# Altium PCB Thunderscope-E.PCBDOC (part 3 of 4) (continued)
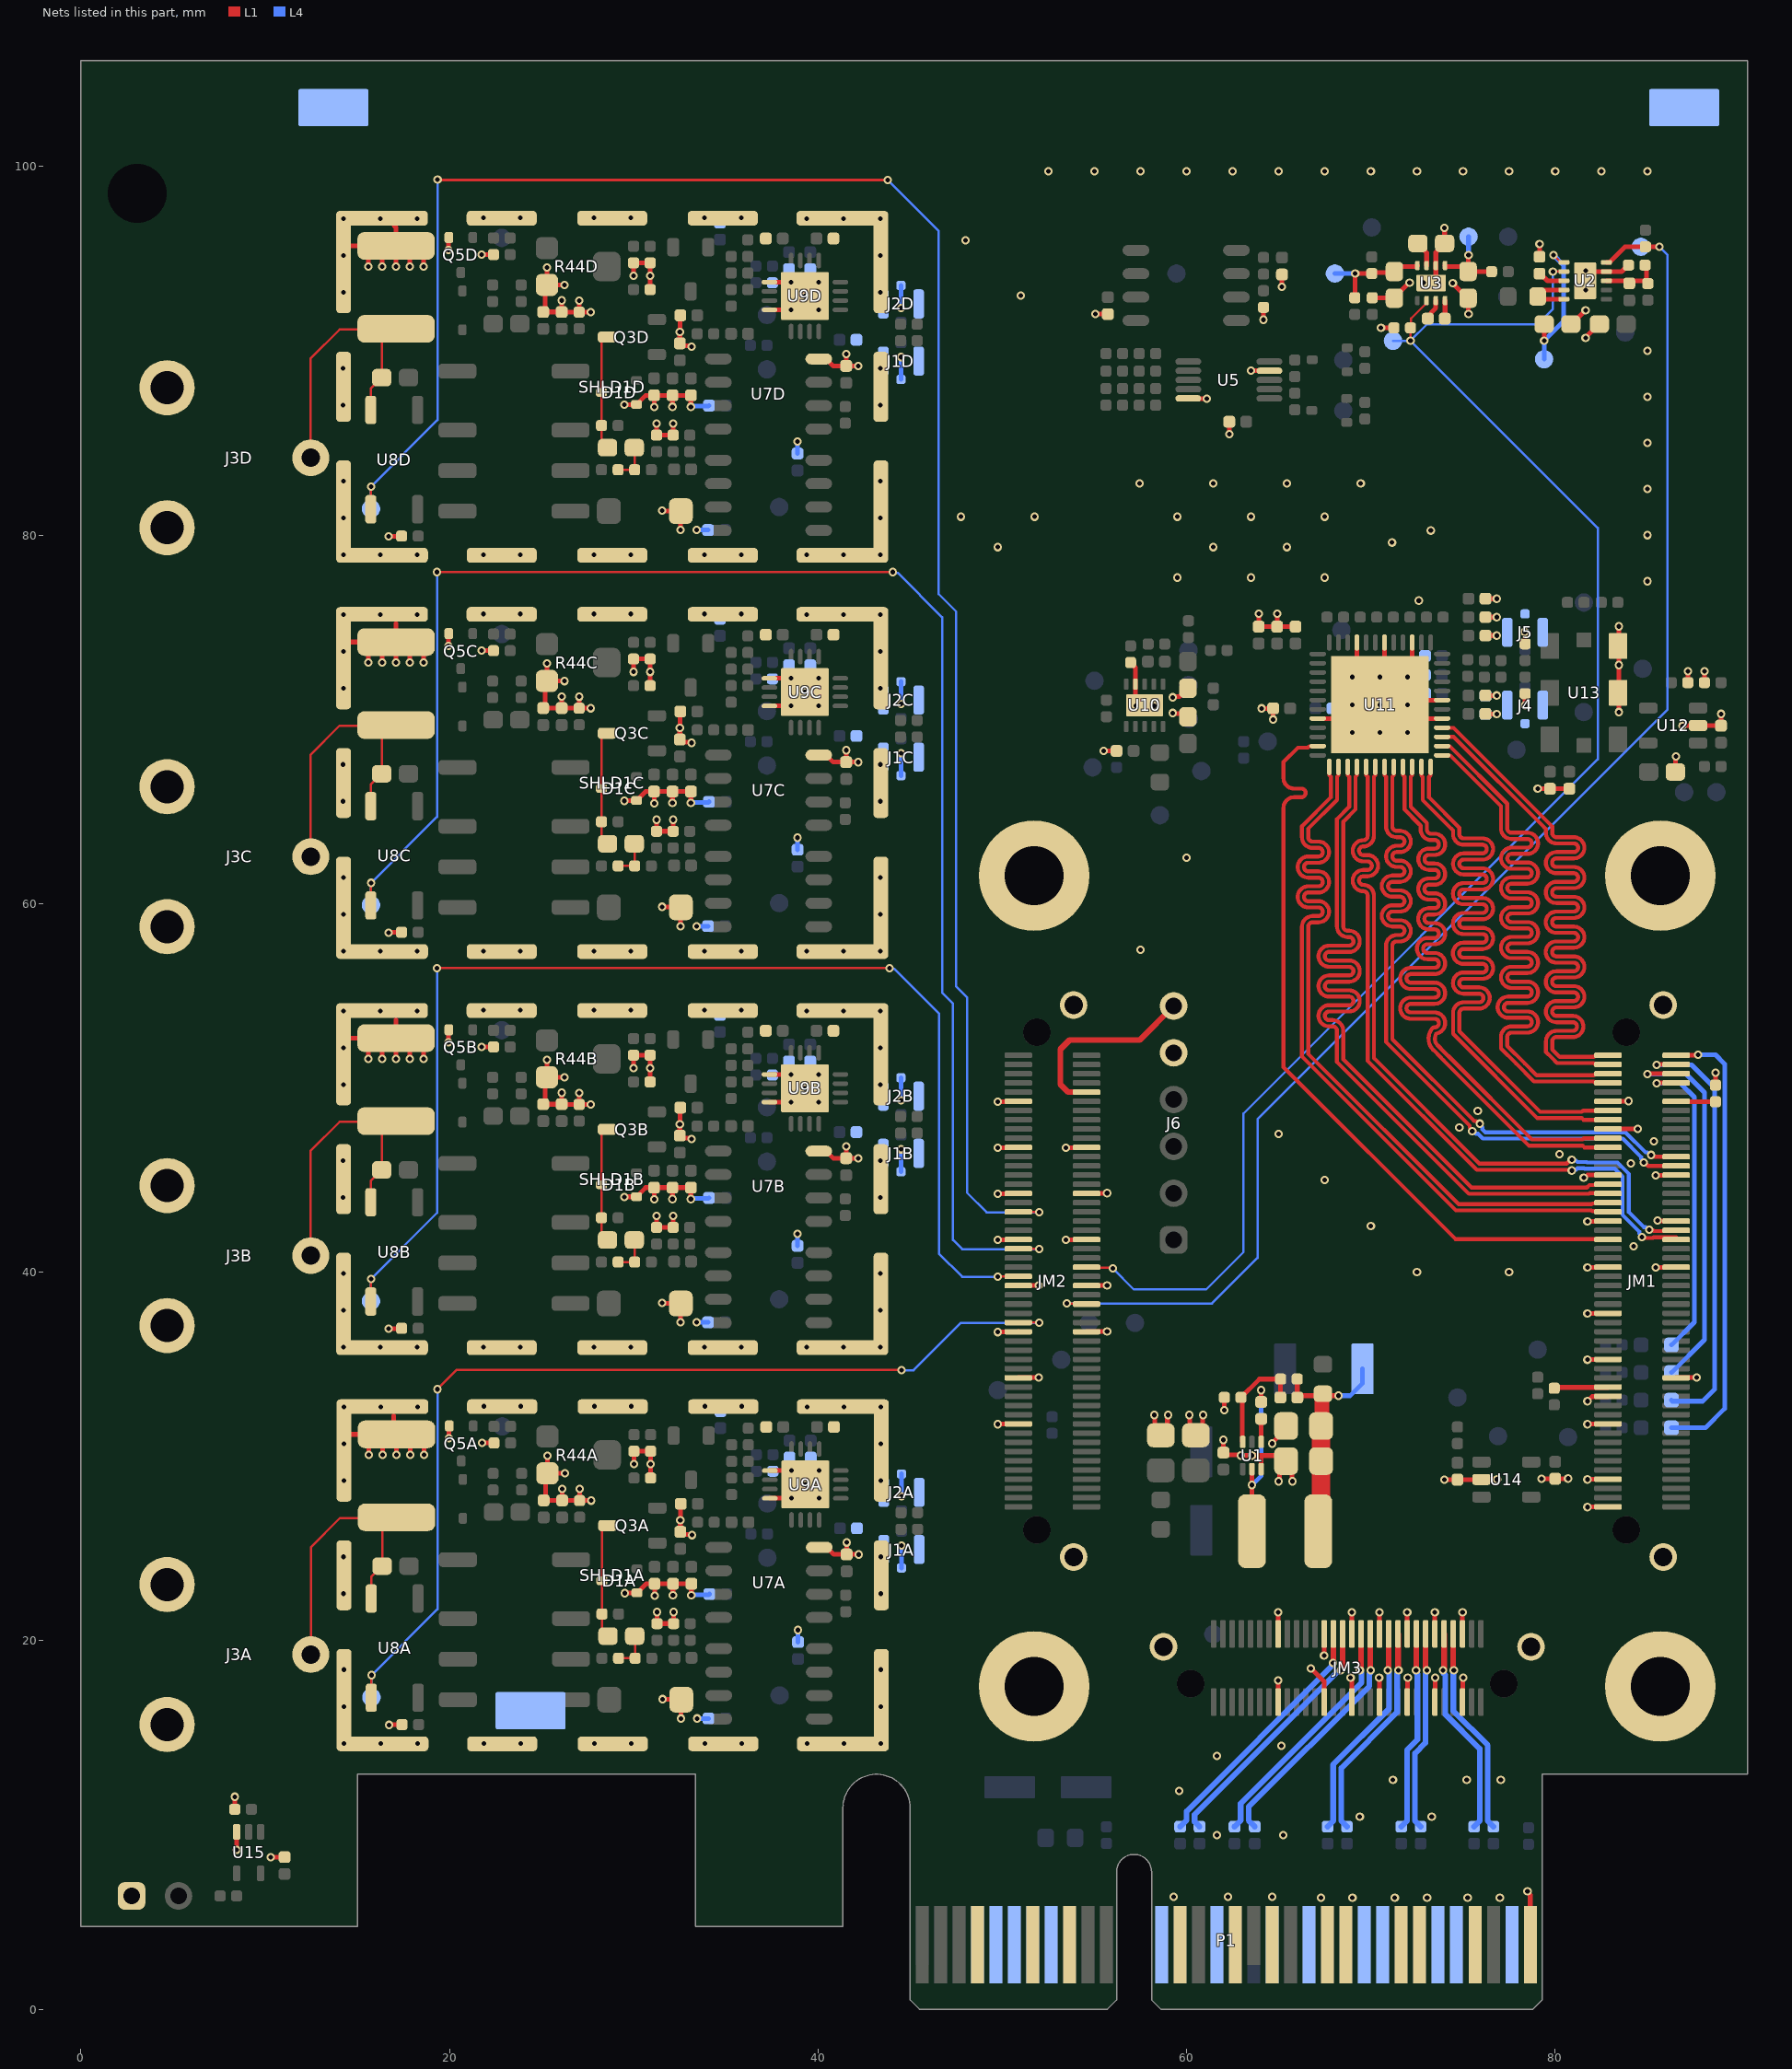
[diagram p5: the nets of this part, all layers, seen from the top]
## Nets (pads, with @x,y where several pads share a name; then routed paths per layer and width w, separated by ;. In a path a pad name is that pad's centre, name@x,y a point inside that pad or via, vN(x,y) a via of type N, cw(c..) or ccw(c..) an arc to the next point about the centre after c; other vN are vias at no path point) (continued)
  L1 w0.254: R84.1@8.35,10.85 v1(8.35,11.533) ; v1(8.45,8.658) U15.3@8.45,9.625 ; v1(10.3,8.25) 10.305,8.255 11.045,8.255 C77.2@11.05,8.26 ; SHLD1D.1@14.25,94.825 14.25,95.433 14.517,95.7 GDT1D.2@16.192,95.7 ; SHLD1A.1@14.384,31.2 GDT1A.2@16.059,31.2 ; SHLD1B.1@14.517,52.701 GDT1B.2@16.192,52.701 ; SHLD1C.1@14.517,74.2 GDT1C.2@16.192,74.2 ; v1(15.588,51.581) 15.588,52.097 GDT1B.2@16.192,52.701 ; v1(15.588,73.08) 15.588,73.596 GDT1C.2@16.192,74.2 ; v1(15.588,94.58) 15.588,95.096 GDT1D.2@16.192,95.7 ; v1(15.613,30.08) 15.613,30.596 16.217,31.2 GDT1A.2@16.967,31.2 ; v1(16.338,51.581) 16.338,52.097 GDT1B.2@16.942,52.701 ; v1(16.338,73.08) 16.338,73.596 GDT1C.2@16.942,74.2 ; v1(16.338,94.58) 16.338,95.096 GDT1D.2@16.942,95.7 ; v1(16.363,30.08) 16.363,30.596 GDT1A.2@16.967,31.2 ; v1(16.688,36.931) 16.698,36.941 17.39,36.941 R51B.1@17.4,36.951 ; v1(16.688,58.43) 16.698,58.44 17.39,58.44 R51C.1@17.4,58.45 ; v1(16.688,79.93) 16.698,79.94 17.39,79.94 R51D.1@17.4,79.95 ; v1(16.713,15.43) 16.723,15.44 17.415,15.44 R51A.1@17.425,15.45 ; 16.967,32.2 GDT1A.2@16.967,31.2 ; 17,96.8 17.1,96.7 GDT1D.2@17.1,95.7 ; v1(17.088,51.581) 17.088,52.689 GDT1B.2@17.1,52.701 ; v1(17.088,73.08) 17.088,74.188 GDT1C.2@17.1,74.2 ; v1(17.088,94.58) 17.088,95.688 GDT1D.2@17.1,95.7 ; 17.1,53.701 GDT1B.2@17.1,52.701 ; 17.1,75.2 GDT1C.2@17.1,74.2 ; v1(17.113,30.08) 17.113,31.188 GDT1A.2@17.125,31.2 ; v1(17.838,51.581) 17.838,52.347 GDT1B.2@17.484,52.701 ; v1(17.838,73.08) 17.838,73.846 GDT1C.2@17.484,74.2 ; v1(17.838,94.58) 17.838,95.346 GDT1D.2@17.484,95.7 ; v1(17.863,30.08) 17.863,30.846 GDT1A.2@17.509,31.2 ; v1(18.588,51.581) 18.588,52.097 17.984,52.701 GDT1B.2@17.484,52.701 ; v1(18.588,73.08) 18.588,73.596 17.984,74.2 GDT1C.2@17.484,74.2 ; v1(18.588,94.58) 18.588,95.096 17.984,95.7 GDT1D.2@17.484,95.7 ; v1(18.613,30.08) 18.613,30.596 18.009,31.2 GDT1A.2@17.509,31.2 ; v1(19.938,52.481) 19.95,52.494 19.95,53.144 Q5B.3@19.963,53.156 ; v1(19.938,73.98) 19.95,73.993 19.95,74.643 Q5C.3@19.963,74.655 ; v1(19.938,95.48) 19.95,95.493 19.95,96.143 Q5D.3@19.963,96.155 ; v1(19.963,30.98) 19.975,30.993 19.975,31.643 Q5A.3@19.988,31.655 ; v1(21.738,52.231) R52B.1@22.388,52.231 ; v1(21.738,73.73) R52C.1@22.388,73.73 ; v1(21.738,95.23) R52D.1@22.388,95.23 ; v1(21.763,30.73) R52A.1@22.413,30.73 ; v1(25.288,51.531) R44B.3@25.288,50.581 ; v1(25.288,73.03) R44C.3@25.288,72.08 ; v1(25.288,94.53) R44D.3@25.288,93.58 ; v1(25.313,30.03) R44A.3@25.313,29.08 ; v1(26.088,49.741) C33B.1@26.088,49.116 ; v1(26.088,71.24) C33C.1@26.088,70.615 ; v1(26.088,92.74) C33D.1@26.088,92.115 ; v1(26.113,28.24) C33A.1@26.113,27.615 ; v1(26.238,50.581) R44B.3@25.288,50.581 ; v1(26.238,72.08) R44C.3@25.288,72.08 ; v1(26.238,93.58) R44D.3@25.288,93.58 ; v1(26.263,29.08) R44A.3@25.313,29.08 ; v1(27.038,49.731) R49B.1@27.038,49.106 ; v1(27.038,71.23) R49C.1@27.038,70.605 ; v1(27.038,92.73) R49D.1@27.038,92.105 ; v1(27.063,28.23) R49A.1@27.063,27.605 ; v1(27.663,49.106) R49B.1@27.038,49.106 ; v1(27.663,70.605) R49C.1@27.038,70.605 ; v1(27.663,92.105) R49D.1@27.038,92.105 ; v1(27.688,27.605) R49A.1@27.063,27.605 ; v1(29.488,44.081) 29.498,44.091 30.14,44.091 D1B.2@30.15,44.101 ; v1(29.488,65.58) 29.498,65.59 30.14,65.59 D1C.2@30.15,65.6 ; v1(29.488,87.08) 29.498,87.09 30.14,87.09 D1D.2@30.15,87.1 ; v1(29.513,22.58) 29.523,22.59 30.165,22.59 D1A.2@30.175,22.6 ; v1(29.988,51.081) R37B.1@29.988,51.781 ; v1(29.988,72.58) R37C.1@29.988,73.28 ; v1(29.988,94.08) R37D.1@29.988,94.78 ; R37B.1@29.988,51.781 R38B.1@30.888,51.781 v1(30.888,51.081) R48B.1@30.888,50.331 ; R37C.1@29.988,73.28 R38C.1@30.888,73.28 v1(30.888,72.58) R48C.1@30.888,71.83 ; R37D.1@29.988,94.78 R38D.1@30.888,94.78 v1(30.888,94.08) R48D.1@30.888,93.33 ; v1(30.013,29.58) R37A.1@30.013,30.28 R38A.1@30.913,30.28 v1(30.913,29.58) R48A.1@30.913,28.83 ; D1B.2@30.295,44.24 30.297,44.24 30.648,44.591 C25B.2@31.1,44.591 C28B.1@32.1,44.591 ; D1C.2@30.295,65.739 30.297,65.739 30.648,66.09 C25C.2@31.1,66.09 C28C.1@32.1,66.09 ; D1D.2@30.295,87.239 30.297,87.239 30.648,87.59 C25D.2@31.1,87.59 C28D.1@32.1,87.59 ; D1A.2@30.32,22.739 30.322,22.739 30.673,23.09 C25A.2@31.125,23.09 C28A.1@32.125,23.09 ; v1(31.106,43.949) C25B.2@31.106,44.585 ; v1(31.106,65.448) C25C.2@31.106,66.084 ; v1(31.106,86.948) C25D.2@31.106,87.584 ; v1(31.131,22.448) C25A.2@31.131,23.084 ; v1(31.238,43.056) R34B.1@31.238,42.431 R39B.1@32.138,42.431 v1(32.138,43.056) ; v1(31.238,64.555) R34C.1@31.238,63.93 R39C.1@32.138,63.93 v1(32.138,64.555) ; v1(31.238,86.055) R34D.1@31.238,85.43 R39D.1@32.138,85.43 v1(32.138,86.055) ; v1(31.263,21.555) R34A.1@31.263,20.93 R39A.1@32.163,20.93 v1(32.163,21.555) ; v1(31.538,38.331) 31.553,38.316 32.535,38.316 C31B.2@32.55,38.301 32.544,38.295 32.544,37.287 v1(32.538,37.281) ; v1(31.538,59.83) 31.553,59.815 32.535,59.815 C31C.2@32.55,59.8 32.544,59.794 32.544,58.786 v1(32.538,58.78) ; v1(31.538,81.33) 31.553,81.315 32.535,81.315 C31D.2@32.55,81.3 32.544,81.294 32.544,80.286 v1(32.538,80.28) ; v1(31.563,16.83) 31.578,16.815 32.56,16.815 C31A.2@32.575,16.8 32.569,16.794 32.569,15.786 v1(32.563,15.78) ; v1(32.1,43.966) C28B.1@32.1,44.591 ; v1(32.1,65.465) C28C.1@32.1,66.09 ; v1(32.1,86.965) C28D.1@32.1,87.59 ; v1(32.125,22.465) C28A.1@32.125,23.09 ; C19B.1@32.528,48.931 32.514,48.917 32.514,48.05 v1(32.5,48.036) C26B.2@32.5,47.411 32.641,47.27 33.099,47.27 v1(33.138,47.231) ; C19C.1@32.528,70.43 32.514,70.416 32.514,69.549 v1(32.5,69.535) C26C.2@32.5,68.91 32.641,68.769 33.099,68.769 v1(33.138,68.73) ; C19D.1@32.528,91.93 32.514,91.916 32.514,91.049 v1(32.5,91.035) C26D.2@32.5,90.41 32.641,90.269 33.099,90.269 v1(33.138,90.23) ; C19A.1@32.553,27.43 32.539,27.416 32.539,26.549 v1(32.525,26.535) C26A.2@32.525,25.91 32.666,25.769 33.124,25.769 v1(33.163,25.73) ; v1(33.1,43.966) C27B.1@33.1,44.591 C28B.1@32.1,44.591 ; v1(33.1,65.465) C27C.1@33.1,66.09 C28C.1@32.1,66.09 ; v1(33.1,86.965) C27D.1@33.1,87.59 C28D.1@32.1,87.59 ; v1(33.125,22.465) C27A.1@33.125,23.09 C28A.1@32.125,23.09 ; U9B.8@37.363,49.231 v1(38.538,49.231) v1(39.288,49.981) v1(38.538,50.731) U9B.5@37.363,50.731 ; U9C.8@37.363,70.73 v1(38.538,70.73) v1(39.288,71.48) v1(38.538,72.23) U9C.5@37.363,72.23 ; U9D.8@37.363,92.23 v1(38.538,92.23) v1(39.288,92.98) v1(38.538,93.73) U9D.5@37.363,93.73 ; U9A.8@37.388,27.73 v1(38.563,27.73) v1(39.313,28.48) v1(38.563,29.23) U9A.5@37.388,29.23 ; U7B.4@40.031,46.574 U7B.4@40.038,46.567 40.443,46.567 40.824,46.186 C18B.1@41.525,46.186 ; U7C.4@40.031,68.073 U7C.4@40.038,68.066 40.443,68.066 40.824,67.685 C18C.1@41.525,67.685 ; U7D.4@40.031,89.573 U7D.4@40.038,89.566 40.443,89.566 40.824,89.185 C18D.1@41.525,89.185 ; U7A.4@40.056,25.073 U7A.4@40.063,25.066 40.468,25.066 40.849,24.685 C18A.1@41.55,24.685 ; v1(41.538,46.831) 41.531,46.825 41.531,46.193 C18B.1@41.525,46.186 ; v1(41.538,68.33) 41.531,68.324 41.531,67.691 C18C.1@41.525,67.685 ; v1(41.538,89.83) 41.531,89.824 41.531,89.191 C18D.1@41.525,89.185 ; v1(41.563,25.33) 41.556,25.324 41.556,24.691 C18A.1@41.55,24.685 ; v1(42.188,46.181) 42.185,46.184 41.527,46.184 C18B.1@41.525,46.186 ; v1(42.188,67.68) 42.185,67.683 41.527,67.683 C18C.1@41.525,67.685 ; v1(42.188,89.18) 42.185,89.183 41.527,89.183 C18D.1@41.525,89.185 ; v1(42.213,24.68) 42.21,24.683 41.552,24.683 C18A.1@41.55,24.685 ; v1(49.75,36.75) 49.76,36.76 50.857,36.76 JM2.39@50.867,36.771 ; v1@49.76,31.76 JM2.19@50.857,31.76 ; v1@49.76,41.76 JM2.59@50.857,41.76 ; v1@49.76,44.26 JM2.69@50.857,44.26 ; v1@49.76,46.76 JM2.79@50.857,46.76 ; v1@49.76,49.26 JM2.89@50.857,49.26 ; JM2.29@50.877,34.281 v1@51.974,34.281 ; JM2.49@50.877,39.281 v1@51.974,39.281 ; v1@53.46,41.76 JM2.60@54.557,41.76 ; v1@53.46,46.76 JM2.80@54.557,46.76 ; JM2.40@54.577,36.781 v1@55.674,36.781 ; JM2.50@54.577,39.281 v1@55.674,39.281 ; JM2.70@54.577,44.281 v1@55.674,44.281 ; v1(55.05,92) 55.052,91.998 55.722,91.998 C75.2@55.725,91.995 ; v1@55.507,68.29 C58.1@56.201,68.29 ; R59.1@56.961,73.09 56.961,73.078 57.222,72.817 U10.4@57.222,71.918 57.222,71.241 U10.11@57.695,70.768 ; v1(57.25,70.75) 57.268,70.768 U10.11@57.695,70.768 ; v1(58.25,70.75) 57.739,70.75 U10.11@57.722,70.768 U10.11@57.695,70.768 ; C3.1@58.276,31.474 v1@58.276,32.224 ; C3.1@58.961,31.511 v1@58.961,32.211 ; v1(59.25,70.35) 59.279,70.321 59.946,70.321 C51.1@60.072,70.195 ; v1(59.25,71.2) 59.289,71.239 59.608,71.239 60.062,71.693 C52.1@60.072,71.693 ; U5.10@60.09,87.42 60.101,87.41 61.09,87.41 v1(61.1,87.4) ; C4.1@60.176,31.474 v1@60.176,32.224 ; C4.1@60.861,31.511 v1@60.861,32.211 ; v1(62,30.9) C5.2@62,30.21 62.121,30.089 62.911,30.089 v1(62.95,30.05) v1(63.55,30.05) 63.9,30.05 ; v1(62.05,32.51) R3.1@62.05,33.2 ; v1@62.315,85.485 C16.1@62.315,86.155 ; v1@63.501,88.92 U5.4@64.49,88.92 ; C41.1@63.901,75.043 C41.1@63.907,75.037 C43.1@64.907,75.037 ; C41.1@63.914,75.043 v1@63.914,75.737 ; U1.3@64.05,29.31 64.05,29.9 63.9,30.05 ; v1(64.069,70.6) C46.1@64.697,70.6 64.697,70.003 v1(64.7,70) ; v1@64.175,91.695 R14.2@64.175,92.365 ; v1(64.65,30.7) 64.65,30.75 65.4,31.5 C7.1@65.4,31.65 ; v1@64.914,75.737 64.914,75.043 C43.1@64.907,75.037 ; JM3.45@64.968,16.672 v1@64.968,17.833 ; JM3.46@64.968,20.372 v1@64.968,21.533 ; v1(65,28.65) 65.039,28.689 65.039,29.389 C6.1@65.4,29.75 ; v1@65.175,93.475 C76.1@65.175,94.145 ; v1(65.75,28.65) 65.724,28.676 65.724,29.426 C6.1@65.4,29.75 ; C45.1@65.907,75.037 C43.1@64.907,75.037 ; v1(66.75,18.5) 67.468,17.782 JM3.35@67.468,16.672 ; U11.8@67.118,70.05 69.743,70.05 v1(70.493,70.8) ; v1(67.458,19.2) 67.463,19.205 67.463,20.367 JM3.36@67.468,20.372 ; v1(68.9,18) 68.9,17.945 68.968,17.877 JM3.29@68.968,16.672 ; JM3.30@68.968,20.372 v1@68.968,21.533 ; U11.45@69.243,74.175 69.243,72.05 v1(70.493,70.8) ; R12.1@70.076,92.884 70.088,92.872 71.255,92.872 C9.1@71.276,92.892 ; v1(70.45,18) 70.459,17.991 70.459,16.681 JM3.23@70.468,16.672 ; JM3.24@70.468,20.372 v1@70.468,21.533 ; v1(70.55,91.25) R8.1@71.25,91.25 ; U11.42@70.743,74.175 U11.49@70.743,71.05 ; C9.1@71.276,92.859 C9.1@71.276,92.892 ; JM3.17@71.968,16.672 71.984,16.688 71.984,17.984 v1(72,18) ; JM3.18@71.968,20.372 v1@71.968,21.533 ; v1(72.1,93.7) 72.083,93.7 C9.1@71.276,92.892 ; U11.39@72.243,74.175 72.243,72.55 U11.49@70.743,71.05 ; v1(72.85,93.7) 73.055,93.7 73.071,93.684 U3.9@73.276,93.684 ; JM3.11@73.468,16.672 73.48,16.684 73.48,17.986 v1(73.492,17.998) ; JM3.12@73.468,20.372 v1@73.468,21.533 ; v1(73.65,93.7) 73.634,93.684 U3.9@73.276,93.684 ; U11.29@73.868,70.05 71.243,70.05 v1(70.493,70.8) ; U11.31@73.868,71.05 U11.49@70.743,71.05 ; v1(73.99,28.74) C63.1@74.7,28.74 74.705,28.745 75.995,28.745 U14.2@76,28.75 v1(76.85,28.75) ; v1@74.001,96.669 C15.1@74.001,95.834 74.001,95.825 73.526,95.35 U3.2@73.526,94.634 73.526,93.934 U3.9@73.276,93.684 ; v1@74.447,93.655 C12.1@75.255,92.847 ; JM3.5@74.968,16.672 74.988,16.691 74.988,17.983 v1(75.007,18.003) ; JM3.6@74.968,20.372 v1@74.968,21.533 ; C12.1@75.276,92.859 75.288,92.847 75.288,92.012 v1(75.3,92) ; C47.1@76.217,70.3 v1@76.826,70.3 ; C55.1@76.217,71.3 v1@76.826,71.3 ; C44.1@76.217,74.55 76.826,74.55 v1(76.827,74.549) ; C42.1@76.217,75.55 v1@76.826,75.55 ; C40.1@76.217,76.55 v1@76.826,76.55 ; v1(78.35,74.75) 78.359,74.741 78.359,74.109 R74.1@78.368,74.1 ; v1(78.368,70.768) R75.1@78.368,71.4 ; v1(78.5,6.4) 78.5,6.345 78.65,6.195 P1.B32@78.65,3.5 ; v1(79.05,66.25) 79.055,66.245 79.713,66.245 C62.1@79.718,66.24 C61.1@80.768,66.24 ; C14.1@79.15,95.11 v1(79.15,95.8) ; v1(79.268,28.79) C64.1@80,28.79 80.005,28.795 80.695,28.795 v1(80.7,28.8) ; C10.1@80.85,91.455 80.902,91.455 81.647,92.2 v1(81.65,92.2) ; v1(81.55,45.125) 81.605,45.125 81.751,45.271 JM1.73@82.867,45.271 ; v1(81.65,90.7) 81.65,90.728 82.377,91.455 C11.1@82.4,91.455 ; v1(81.65,93.3) 81.625,93.325 U2.11@81.625,93.832 ; v1(81.65,94.35) 81.625,94.325 U2.11@81.625,93.832 ; v1(81.75,33) 82,33.25 82.847,33.25 JM1.25@82.867,33.271 ; v1@81.76,27.26 JM1.1@82.857,27.26 ; v1@81.76,28.76 JM1.7@82.857,28.76 ; v1@81.76,31.76 JM1.19@82.857,31.76 ; v1@81.76,35.26 JM1.33@82.857,35.26 ; v1@81.76,37.76 JM1.43@82.857,37.76 ; v1@81.76,40.26 JM1.53@82.857,40.26 ; v1@81.76,42.76 JM1.63@82.857,42.76 ; JM1.89@82.877,49.281 v1@83.974,49.281 ; JM1.83@82.888,47.771 v1(84.48,47.77) ; v1(83.45,70.4) 83.45,71.41 U13.2@83.415,71.445 83.45,71.479 v1(83.45,72.95) 83.45,73.95 U13.3@83.415,73.985 83.45,74.019 v1(83.45,75.05) ; R11.1@83.975,94.655 83.963,94.655 83.613,94.305 U2.4@82.775,94.305 82.098,94.305 U2.11@81.625,93.832 ; v1@85.46,40.26 JM1.54@86.557,40.26 ; v1@85.46,45.26 JM1.74@86.557,45.26 ; v1(85.55,42.8) 85.565,42.785 86.552,42.785 JM1.64@86.567,42.771 ; C60.1@86.525,67.15 86.538,67.162 86.538,67.988 v1(86.55,68) ; JM1.30@86.577,34.281 v1@87.674,34.281 ; v1(86.9,69.65) 86.909,69.659 87.741,69.659 U12.2@87.75,69.668 87.754,69.664 88.996,69.664 C59.1@89,69.66 v1(89,70.3) ; R72.1@87.2,72 v1(87.201,72.609) ; R67.1@88.1,72 v1@88.1,72.608 ; R83.1@88.69,50.16 88.7,50.171 v1(88.7,50.818) ; GDT1B.2@16.192,52.701 GDT1B.2@16.942,52.701 ; GDT1C.2@16.192,74.2 GDT1C.2@16.942,74.2 ; GDT1D.2@16.192,95.7 GDT1D.2@16.942,95.7 ; GDT1B.2@16.942,52.701 GDT1B.2@17.1,52.701 ; GDT1C.2@16.942,74.2 GDT1C.2@17.1,74.2 ; GDT1D.2@16.942,95.7 GDT1D.2@17.1,95.7 ; GDT1A.2@16.967,31.2 GDT1A.2@17.125,31.2 ; GDT1B.2@17.1,52.701 GDT1B.2@17.484,52.701 ; GDT1C.2@17.1,74.2 GDT1C.2@17.484,74.2 ; GDT1D.2@17.1,95.7 GDT1D.2@17.484,95.7 ; GDT1A.2@17.125,31.2 GDT1A.2@17.509,31.2 ; R44B.3@25.288,50.581 25.188,50.481 25.188,49.216 C34B.1@25.088,49.116 C33B.1@26.088,49.116 ; R44C.3@25.288,72.08 25.188,71.98 25.188,70.715 C34C.1@25.088,70.615 C33C.1@26.088,70.615 ; R44D.3@25.288,93.58 25.188,93.48 25.188,92.215 C34D.1@25.088,92.115 C33D.1@26.088,92.115 ; R44A.3@25.313,29.08 25.213,28.98 25.213,27.715 C34A.1@25.113,27.615 C33A.1@26.113,27.615 ; C33B.1@26.088,49.116 26.093,49.111 27.033,49.111 R49B.1@27.038,49.106 ; C33C.1@26.088,70.615 26.093,70.61 27.033,70.61 R49C.1@27.038,70.605 ; C33D.1@26.088,92.115 26.093,92.11 27.033,92.11 R49D.1@27.038,92.105 ; C33A.1@26.113,27.615 26.118,27.61 27.058,27.61 R49A.1@27.063,27.605 ; 63.9,30.05 65.1,30.05 C6.1@65.4,29.75 ; v1(70.493,70.8) U11.49@70.743,71.05
  L1 w0.508: v1(14.238,35.931) 14.253,35.946 SHLD1B.1@14.253,38.282 ; v1(14.238,57.43) 14.253,57.445 SHLD1C.1@14.253,59.781 ; v1(14.238,78.93) 14.253,78.945 SHLD1D.1@14.253,81.281 ; v1(14.263,14.43) 14.278,14.445 SHLD1A.1@14.278,16.781 ; v1(21.838,35.931) 21.863,35.906 SHLD1B.1@22.833,35.906 22.857,35.931 v1(23.838,35.931) ; v1(21.838,57.43) 21.863,57.405 SHLD1C.1@22.833,57.405 22.857,57.43 v1(23.838,57.43) ; v1(21.838,78.93) 21.863,78.905 SHLD1D.1@22.833,78.905 22.857,78.93 v1(23.838,78.93) ; v1(21.863,14.43) 21.888,14.405 SHLD1A.1@22.858,14.405 22.882,14.43 v1(23.863,14.43)
  L4 w0.254: v1(33.1,43.966) 33.133,43.999 34.045,43.999 C23B.2@34.078,44.031 ; v1(33.1,65.465) 33.133,65.498 34.045,65.498 C23C.2@34.078,65.53 ; v1(33.1,86.965) 33.133,86.998 34.045,86.998 C23D.2@34.078,87.03 ; v1(33.125,22.465) 33.158,22.498 34.07,22.498 C23A.2@34.103,22.53 ; v1(33.403,37.281) C29B.2@34.028,37.281 ; v1(33.403,58.78) C29C.2@34.028,58.78 ; v1(33.403,80.28) C29D.2@34.028,80.28 ; v1(33.428,15.78) C29A.2@34.053,15.78 ; C24B.2@38.888,41.431 v1(38.888,42.081) ; C24C.2@38.888,62.93 v1(38.888,63.58) ; C24D.2@38.888,84.43 v1(38.888,85.08) ; C24A.2@38.913,19.93 v1(38.913,20.58) ; J1B.2@44.5,45.451 v1(44.5,46.669) ; v1(44.5,49.334) J2B.2@44.5,50.551 ; J1C.2@44.5,66.95 v1(44.5,68.167) ; v1(44.5,70.833) J2C.2@44.5,72.05 ; J1D.2@44.5,88.45 v1(44.5,89.667) ; v1(44.5,92.333) J2D.2@44.5,93.55 ; J1A.2@44.525,23.95 v1(44.525,25.167) ; v1(44.525,27.833) J2A.2@44.525,29.05 ; v1(55.5,68.297) v1(55.5,68.297) 56.198,68.298 R58.1@56.2,68.3
  other v1: 67.3,6.05 69,6.05 71.3,6.05 73.05,6.05 75.25,6.05 77,6.05 59.3,6.1 62.25,6.1 64.65,6.1 61.65,9.45 65.25,9.45 69.4,10.45 73.3,10.45 59.6,11.85 71.2,12.45 75.2,12.45 77.05,12.45 61.65,13.75 65.15,14.3 16.263,14.43 18.263,14.43 27.863,14.43 29.863,14.43 33.863,14.43 35.863,14.43 39.413,14.43 41.413,14.43 43.413,14.43 14.263,16.43 43.413,16.43 64.973,17.838 14.263,18.43 43.413,18.43 64.973,21.538 68.973,21.538 70.473,21.538 71.973,21.538 73.473,21.538 74.973,21.538 14.25,22.555 43.41,22.555 14.25,24.555 43.41,24.555 81.75,27.25 40.063,27.73 14.263,28.68 43.413,28.68 81.75,28.75 40.063,29.23 14.263,30.68 43.413,30.68 49.75,31.75 81.75,31.75 58.25,32.25 59,32.25 60.15,32.25 60.9,32.25 14.263,32.68 16.263,32.68 18.263,32.68 39.413,32.68 41.413,32.68 43.413,32.68 21.86,32.725 23.86,32.725 27.86,32.725 29.86,32.725 33.86,32.725 35.86,32.725 51.984,34.291 87.684,34.291 81.75,35.25 16.238,35.931 18.238,35.931 27.838,35.931 29.838,35.931 33.838,35.931 35.838,35.931 39.388,35.931 41.388,35.931 43.388,35.931 55.684,36.791 81.75,37.75 14.238,37.931 43.388,37.931 51.984,39.291 55.684,39.291 14.238,39.931 43.388,39.931 72.5,40 77.5,40 81.75,40.25 85.45,40.25 84.25,41.4 49.75,41.75 53.45,41.75 70,42.5 81.75,42.75 14.225,44.056 43.385,44.056 49.75,44.25 55.684,44.291 67.5,45 85.45,45.25 84.1,45.9 14.225,46.056 43.385,46.056 80.227,46.397 49.75,46.75 53.45,46.75 85.35,47.1 65,47.5 74.8,47.85 75.8,48.75 40.038,49.231 49.75,49.25 83.984,49.291 14.238,50.181 43.388,50.181 40.038,50.731 14.238,52.181 43.388,52.181 14.238,54.181 16.238,54.181 18.238,54.181 39.388,54.181 41.388,54.181 43.388,54.181 21.835,54.226 23.835,54.226 27.835,54.226 29.835,54.226 33.835,54.226 35.835,54.226 16.238,57.43 18.238,57.43 27.838,57.43 29.838,57.43 33.838,57.43 35.838,57.43 39.388,57.43 41.388,57.43 43.388,57.43 57.5,57.5 14.238,59.43 43.388,59.43 14.238,61.43 43.388,61.43 60,62.5 14.225,65.555 43.385,65.555 14.225,67.555 43.385,67.555 68.993,69.3 70.493,69.3 71.993,69.3 76.827,70.299 40.038,70.73 68.993,70.8 71.993,70.8 76.827,71.299 14.238,71.68 43.388,71.68 40.038,72.23 68.993,72.3 70.493,72.3 71.993,72.3 88.101,72.609 14.238,73.68 43.388,73.68 76.827,75.549 14.238,75.68 16.238,75.68 18.238,75.68 39.388,75.68 41.388,75.68 43.388,75.68 21.835,75.725 23.835,75.725 27.835,75.725 29.835,75.725 33.835,75.725 35.835,75.725 63.921,75.744 64.921,75.744 72.6,76.45 76.827,76.549 85,77.5 59.5,77.7 63.5,77.7 67.5,77.7 16.238,78.93 18.238,78.93 27.838,78.93 29.838,78.93 33.838,78.93 35.838,78.93 39.388,78.93 41.388,78.93 43.388,78.93 49.75,79.35 61.45,79.35 65.45,79.35 71.15,79.6 85,80 73.25,80.25 14.238,80.93 43.388,80.93 47.75,81 51.75,81 59.5,81 63.5,81 67.5,81 85,82.5 57.45,82.8 61.45,82.8 65.45,82.8 69.45,82.8 14.238,82.93 43.388,82.93 85,85 62.312,85.483 14.225,87.055 43.385,87.055 85,87.5 63.491,88.93 14.225,89.055 43.385,89.055 85,90 64.173,91.693 40.038,92.23 51,93 14.238,93.18 43.388,93.18 65.172,93.473 74.447,93.672 40.038,93.73 14.238,95.18 43.388,95.18 48,96 73.988,96.682 14.238,97.18 16.238,97.18 18.238,97.18 39.388,97.18 41.388,97.18 43.388,97.18 21.835,97.225 23.835,97.225 27.835,97.225 29.835,97.225 33.835,97.225 35.835,97.225 52.5,99.75 55,99.75 57.5,99.75 60,99.75 62.5,99.75 65,99.75 67.5,99.75 70,99.75 72.5,99.75 75,99.75 77.5,99.75 80,99.75 82.5,99.75 85,99.75
JTAG1: P1.B9
JTAG2: P1.A5
JTAG3: P1.A6
JTAG4: P1.A7
JTAG5: P1.A8
JTAG_VREF: J6.6 JM2.92 | length 10.6
  L1 w0.309: JM2.92@54.567,49.771 54.562,49.775 53.575,49.775 53.15,50.2 53.15,52.1 53.65,52.6 57.45,52.6 J6.6@59.3,54.45
JTAGEN: JM1.90 R83.2 | length 2.1
  L1 w0.254: JM1.90@86.567,49.271 86.577,49.26 88.69,49.26 R83.2@88.7,49.25
LCLK_N: JM1.62 U11.18 | length 39.8
  L1 w0.214: 69.589,61.02 cw(c69.589,61.253) 69.589,61.487 69.817,61.487 ccw(c69.817,62.062) 69.817,62.636 69.589,62.636 cw(c69.589,62.87) 69.589,63.104 ; 69.589,61.02 cw(c69.589,60.445) 70.163,60.445 70.163,60.168 70.163,51.618 75.89,45.892 80.626,45.892 80.834,46.1 v1(80.9,46.1) ; 69.589,63.104 ccw(c69.589,63.679) 70.163,63.679 70.163,65.21 70.163,66.89 70.236,66.963 70.236,67.418 U11.18@70.243,67.425 ; v1(85.113,42.313) 85.16,42.267 85.321,42.267 85.36,42.228 86.524,42.228 JM1.62@86.567,42.271
  L4 w0.214: v1(80.9,46.1) 80.947,46.053 81.139,46.053 81.214,45.978 81.712,45.978 81.737,45.953 83.379,45.953 84,45.332 84,43.254 84.805,42.449 84.911,42.449 85.047,42.313 v1(85.113,42.313)
LCLK_P: JM1.60 U11.17 | length 40.4
  L1 w0.214: 69.589,60.679 cw(c69.589,61.253) 69.589,61.828 69.817,61.828 ccw(c69.817,62.062) 69.817,62.296 69.589,62.296 cw(c69.589,62.87) 69.589,63.445 ; 69.589,60.679 cw(c69.589,60.445) 69.823,60.445 69.823,60.168 69.823,51.477 75.749,45.551 80.865,45.551 v1(80.9,45.516) ; 69.589,63.445 ccw(c69.589,63.679) 69.823,63.679 69.823,65.21 69.823,66.89 69.75,66.963 69.75,67.418 U11.17@69.743,67.425 ; v1(84.7,41.9) 84.747,41.853 84.919,41.853 84.922,41.851 85.305,41.851 85.341,41.887 JM1.60@86.567,41.887
  L4 w0.214: v1(80.9,45.516) 80.947,45.562 81.139,45.562 81.214,45.638 81.571,45.638 81.596,45.612 83.238,45.612 83.659,45.191 83.659,43.113 84.564,42.208 84.564,42.102 84.7,41.966 v1(84.7,41.9)
LEDs_1: D3.1 JM1.94 | length 17.4
  L1 w0.254: v1(85.5,50.25) 85.521,50.271 JM1.94@86.567,50.271
  L4 w0.254: v1(85.5,50.25) 86.8,50.25 87.55,49.5 87.55,37.289 D3.1@86.314,36.053
LEDs_2: D4.1 JM1.96 | length 21
  L1 w0.254: v1(85,50.75) 85.021,50.771 85.297,50.771 85.3,50.767 85.7,50.767 85.703,50.771 JM1.96@86.567,50.771
  L4 w0.254: v1(85,50.75) 87.1,50.75 88.1,49.75 88.1,36.339 D4.1@86.314,34.553
LEDs_3: D5.1 JM1.98 | length 23.7
  L1 w0.254: v1(85.5,51.25) 85.521,51.271 JM1.98@86.567,51.271
  L4 w0.254: v1(85.5,51.25) 87.4,51.25 88.65,50 88.65,33.65 88,33 86.367,33 D5.1@86.314,33.053
LEDs_4: D6.1 JM1.100 | length 24.9
  L1 w0.254: JM1.100@86.567,51.771 86.582,51.785 87.735,51.785 v1(87.75,51.8)
  L4 w0.254: D6.1@86.314,31.553 88.153,31.553 89.196,32.596 89.196,51.304 88.7,51.8 v1(87.75,51.8)
MGT_CLK1_N: C73.1 JM3.32 | length 14
  L1 w0.309: v1(68.363,18.387) 68.363,18.427 68.468,18.532 JM3.32@68.468,20.372
  L4 w0.309: C73.1@60.7,9.91 60.7,9.913 60.434,10.179 60.434,10.562 68.161,18.29 68.226,18.29 68.323,18.387 v1(68.363,18.387)
MGT_CLK1_P: C74.1 JM3.34 | length 13.9
  L1 w0.309: v1(67.95,18.8) 67.968,18.818 JM3.34@67.968,20.372
  L4 w0.309: C74.1@59.65,9.91 59.65,9.913 59.998,10.261 59.998,10.743 67.876,18.621 67.876,18.686 67.95,18.76 v1(67.95,18.8)
MGT_TX0_N: C65.1 JM3.8 | length 11.4
  L1 w0.309: JM3.8@74.468,20.372 74.466,20.369 74.466,18.474 74.5,18.44 v1(74.5,18.4)
  L4 w0.309: v1(74.5,18.4) 74.475,18.375 74.475,16.192 76.343,14.324 76.343,10.22 76.65,9.913 C65.1@76.65,9.91
MGT_TX0_P: C66.1 JM3.10 | length 11.4
  L1 w0.309: v1(73.916,18.4) 73.916,18.44 73.973,18.497 73.973,20.367 JM3.10@73.968,20.372
  L4 w0.309: v1(73.916,18.4) 73.944,18.372 73.944,18.234 74.038,18.14 74.038,16.012 75.907,14.143 75.907,10.22 75.6,9.913 C66.1@75.6,9.91
MGT_TX1_N: C67.1 JM3.14 | length 10.9
  L1 w0.309: JM3.14@72.968,20.372 72.963,20.367 72.963,19.767 72.96,19.764 72.96,18.514 73.034,18.44 v1(73.034,18.4)
  L4 w0.309: C67.1@72.7,9.91 72.7,9.913 72.393,10.22 72.393,13.888 72.96,14.455 72.96,18.221 73.006,18.267 73.006,18.372 v1(73.034,18.4)
MGT_TX1_P: C68.1 JM3.16 | length 10.9
  L1 w0.309: v1(72.45,18.4) 72.463,18.413 72.463,20.367 JM3.16@72.468,20.372
  L4 w0.309: C68.1@71.65,9.91 71.65,9.913 71.957,10.22 71.957,14.069 72.524,14.636 72.524,18.198 72.478,18.243 72.478,18.372 v1(72.45,18.4)
MGT_TX2_N: C69.1 JM3.20 | length 12.5
  L1 w0.309: JM3.20@71.463,19.776 71.463,20.367 JM3.20@71.468,20.372 71.473,20.367 71.473,18.427 v1(71.5,18.4) v1@71.5,18.44
  L4 w0.309: C69.1@68.7,9.91 68.7,9.913 68.393,10.22 68.393,13.093 71.426,16.126 71.426,18.221 71.472,18.267 71.472,18.372 v1(71.5,18.4)
MGT_TX2_P: C70.1 JM3.22 | length 11.9
  L1 w0.309: v1(70.916,18.4) 70.944,18.428 70.944,18.533 70.973,18.561 70.973,19.767 70.973,20.367 JM3.22@70.968,20.372
  L4 w0.309: C70.1@67.65,9.91 67.65,9.913 67.957,10.22 67.957,13.274 70.99,16.307 70.99,18.286 70.916,18.36 v1(70.916,18.4)
MGT_TX3_N: C71.1 JM3.26 | length 13.4
  L1 w0.309: JM3.26@69.968,20.372 69.963,20.367 69.963,18.421 v1(69.984,18.4)
  L4 w0.309: C71.1@63.7,9.91 63.7,9.913 63.368,10.245 63.368,10.985 69.922,17.538 69.922,18.2 69.956,18.234 69.956,18.372 v1(69.984,18.4)
MGT_TX3_P: C72.1 JM3.28 | length 13.4
  L1 w0.309: v1(69.4,18.4) 69.4,18.44 69.473,18.513 69.473,20.367 JM3.28@69.468,20.372
  L4 w0.309: C72.1@62.6,9.91 62.6,9.913 62.932,10.245 62.932,11.165 69.486,17.719 69.486,18.274 69.4,18.36 v1(69.4,18.4)
NetC1_1: C1.1 L1.1 U1.2 | length 9.4
  L1 w0.254: L1.1@63.55,25.95 v1(63.55,28.45) U1.2@63.55,29.31 ; C1.1@64.051,32.961 v1@64.051,33.597
  L4 w0.254: v1(63.55,28.45) 64.052,28.952 v1(64.052,33.598)
NetC1_2: C1.2 U1.4 | length 1.3
  L1 w0.254: U1.4@64.05,30.79 C1.2@64.05,32.04
NetC2_1: C2.1 R2.1 R3.2 U1.6 | length 6
  L1 w0.254: U1.6@63.05,30.79 63.027,30.813 63.027,33.123 R3.2@62.95,33.2 63.95,34.2 R2.1@65.1,34.2 65.095,34.195 65.095,33.205 C2.1@65.09,33.2
NetC2_2: C2.2 C6.2 C7.2 L1.2 R1.1 R2.2 TP1.1 | length 13.3
  L1 w0.254: R2.2@66,34.2 66.005,34.195 66.005,33.205 C2.2@66.01,33.2 66.11,33.3 R1.1@67.3,33.3 ; R1.1@67.4,33.4 67.35,33.35 R1.1@67.3,33.3 ; v1(68.25,33.3) 67.35,33.3 R1.1@67.3,33.3
  L1 w0.8: C7.2@67.3,31.65 67.35,31.7 67.35,33.3 R1.1@67.35,33.35
  L1 w1: L1.2@67.15,25.95 67.3,26.1 C6.2@67.3,29.75 C7.2@67.3,31.65
  L4 w0.254: v1(68.25,33.3) 68.875,33.3 69.55,33.975 TP1.1@69.55,34.75
NetC8_1: C8.1 R7.1 R11.2 U2.3 | length 3.4
  L1 w0.254: U2.3@82.775,93.805 82.777,93.803 83.887,93.803 C8.1@84.025,93.665 84.163,93.803 84.877,93.803 R7.1@85.025,93.655 ; R11.2@84.875,94.655 84.95,94.58 R7.1@84.95,93.73
NetC9_2: C9.2 R6.1 R9.2 TP7.1 U3.4 | length 6.1
  L1 w0.254: R9.2@69.126,92.884 69.138,92.897 69.138,94.188 v1(69.15,94.2) R6.1@70.05,94.2 ; R6.1@69.995,94.255 R6.1@70.05,94.2 ; R6.1@70.029,94.179 R6.1@70.05,94.2 ; U3.4@72.526,94.634 72.526,94.626 72.477,94.578 71.544,94.578 C9.2@71.276,94.309 71.221,94.255 70.105,94.255 R6.1@70.05,94.2
  L4 w0.254: TP7.1@68.05,94.2 v1(69.15,94.2)
NetC10_2: C10.2 R4.2 TP4.1 U2.6 U2.9 U2.10 | length 11
  L1 w0.127: v1(79.905,95.2) 80.3,94.805 U2.6@80.475,94.805
  L1 w0.254: R4.2@79.021,92.921 79.136,92.807 80.473,92.807 U2.10@80.475,92.805 ; R4.2@79.05,92.95 79.053,92.95 79.408,93.305 U2.9@80.475,93.305 ; v1(79.4,90.55) C10.2@79.4,91.455
  L4 w0.254: TP4.1@79.4,89.55 v1(79.4,90.55) 80.45,91.6 80.45,94.655 v1(79.905,95.2)
NetC12_2: C12.2 R5.2 TP6.1 U3.1 | length 4.6
  L1 w0.254: U3.1@74.026,94.634 74.026,94.626 74.074,94.578 75.007,94.578 C12.2@75.276,94.309 ; v1(75.3,95.2) 75.288,95.188 75.288,94.322 C12.2@75.276,94.309 ; R5.2@76.55,94.3 76.545,94.305 75.28,94.305 C12.2@75.276,94.309
  L4 w0.254: v1(75.3,95.2) TP6.1@75.3,96.2
NetC13_1: C13.1 U3.7 | length 1.2
  L1 w0.254: C13.1@73.09,91.75 73.263,91.923 73.263,92.063 73.524,92.324 73.524,92.611 73.526,92.613 U3.7@73.526,92.734
NetC13_2: C13.2 U3.8 | length 1
  L1 w0.254: C13.2@74.01,91.75 74.026,91.766 U3.8@74.026,92.734
NetC14_2: C14.2 U2.8 | length 1.5
  L1 w0.254: C14.2@79.15,94.19 79.196,94.19 79.581,93.805 U2.8@80.475,93.805
NetC15_2: C15.2 U3.3 | length 1.4
  L1 w0.254: C15.2@72.551,95.834 72.551,95.797 73.026,95.322 U3.3@73.026,94.634
NetC17A_1: C17A.1 D1A.1 Q3A.3 R32A.2 | length 6.3
  L1 w0.127: Q3A.3@28.575,26.25 28.499,26.25 28.275,26.026 D1A.1@28.275,23.25 R32A.2@28.275,21.45 28.275,20.575 C17A.1@28.6,20.25
NetC17A_2: C17A.2 R30A.2 R31A.2 | length 2.1
  L1 w0.127: R30A.2@29.175,19.05 R31A.2@30.075,19.05 30.075,20.225 C17A.2@30.05,20.25
NetC17B_1: C17B.1 D1B.1 Q3B.3 R32B.2 | length 6.3
  L1 w0.127: Q3B.3@28.55,47.751 28.474,47.751 28.25,47.527 D1B.1@28.25,44.751 R32B.2@28.25,42.951 28.25,42.076 C17B.1@28.575,41.751
NetC17B_2: C17B.2 R30B.2 R31B.2 | length 2.1
  L1 w0.127: R30B.2@29.15,40.551 R31B.2@30.05,40.551 30.05,41.726 C17B.2@30.025,41.751
NetC17C_1: C17C.1 D1C.1 Q3C.3 R32C.2 | length 6.3
  L1 w0.127: Q3C.3@28.55,69.25 28.474,69.25 28.25,69.026 D1C.1@28.25,66.25 R32C.2@28.25,64.45 28.25,63.575 C17C.1@28.575,63.25
NetC17C_2: C17C.2 R30C.2 R31C.2 | length 2.1
  L1 w0.127: R30C.2@29.15,62.05 R31C.2@30.05,62.05 30.05,63.225 C17C.2@30.025,63.25
NetC17D_1: C17D.1 D1D.1 Q3D.3 R32D.2 | length 6.3
  L1 w0.127: Q3D.3@28.55,90.75 28.474,90.75 28.25,90.526 D1D.1@28.25,87.75 R32D.2@28.25,85.95 28.25,85.075 C17D.1@28.575,84.75
NetC17D_2: C17D.2 R30D.2 R31D.2 | length 2.1
  L1 w0.127: R30D.2@29.15,83.55 R31D.2@30.05,83.55 30.05,84.725 C17D.2@30.025,84.75